# Allegro board buddy_lay_rev1.brd (continued)
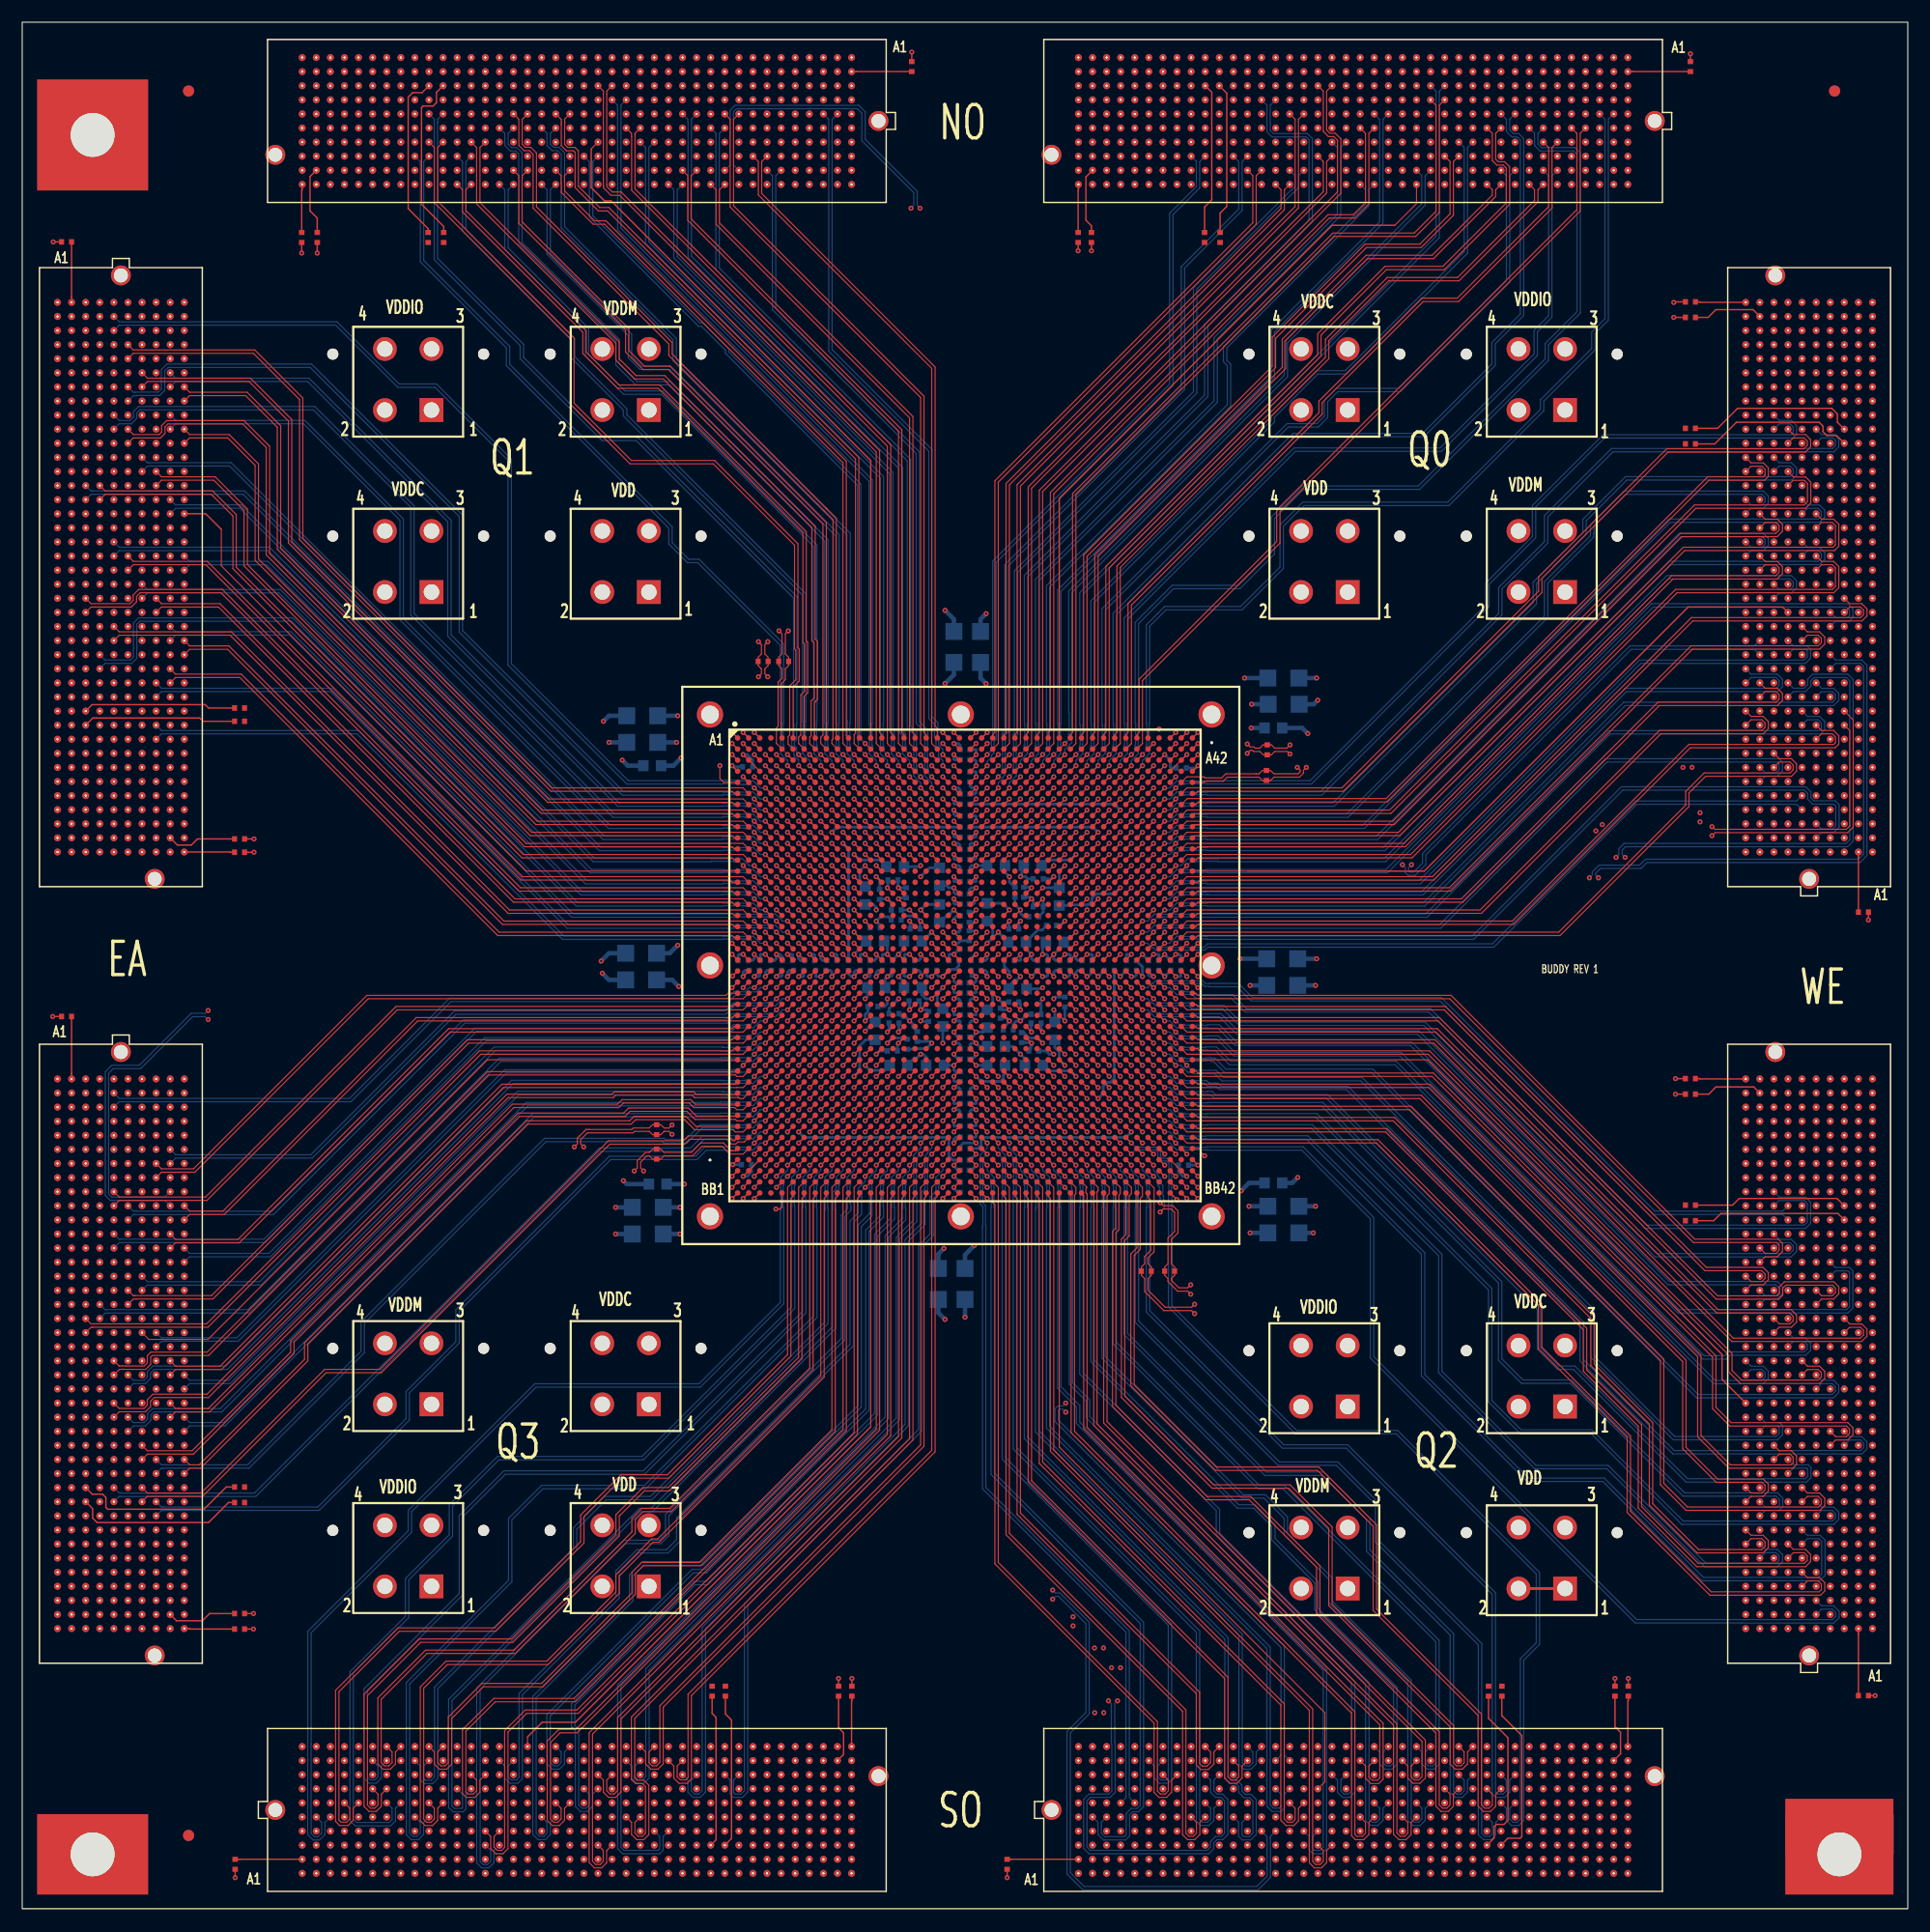
[diagram p0: board, top side]
## Routing (per net, layer and track width the routed paths; a pad name or vN(x,y) marks a point on that pad's centre or on a via; arc(x,y) is an arc through that point) (continued)
SO_N69: length 65.8
  TOP w0.102: J6.J28 59.05,12.86 59.05,11.9 59.34,11.61 59.83,11.61 60.03,11.81 60.03,19.33 82,41.3 82,65 U1.BA19
SO_N70: length 70.5
  TOP w0.127: U1.AU19 v1(82,69)
  BOTTOM w0.102: v1(82,69) 82,68.54 81.62,68.16 81.62,68.05 81.38,67.81 81.38,64.84 81.16,64.62 81.15,64.62 81.1,64.56 81.1,61.78 79.6,60.28 79.6,43.65 61.3,25.35 61.3,10.64 61,10.34 60.61,10.34 60.32,10.63 60.32,11.59 J6.H29
SO_N71: length 80.6
  TOP w0.127: U1.AR19 v1(82,71)
  SIGNAL_L12 w0.081: v1(82,71) 82,70.55 81.63,70.18 81.63,70.1 81.34,69.8 81.34,69.23 81.37,69.2 81.37,64.7 81.33,64.66 81.33,64.25 80.75,63.67 80.75,39.94 71.5,30.69 64.79,30.69 57.45,23.35 57.45,9.13 57.86,8.72 58.73,8.72 59.06,9.06 59.06,10.34 J6.G28
SO_N72: length 77.3
  TOP w0.127: U1.AN19 v1(82,73)
  SIGNAL_L3 w0.081: v1(82,73) 82,72.52 81.85,72.37 81.85,72.37 81.63,72.15 81.63,72.15 81.6,72.12 81.6,72.07 81.34,71.81 81.34,71.22 81.37,71.19 81.37,70.74 81.38,70.73 81.38,70.27 81.37,70.26 81.37,69.74 81.38,69.73 81.38,69.27 81.37,69.26 81.37,68.74 81.38,68.73 81.38,68.27 81.37,68.26 81.37,67.74 81.38,67.73 81.38,67.27 81.37,67.26 81.37,66.74 81.38,66.73 81.38,66.27 81.37,66.26 81.37,65.74 81.38,65.73 81.38,65.38 81.37,65.37 81.37,64.84 81.27,64.74 81.27,64.43 81.35,64.36 81.35,41.03 61.26,20.94 61.26,7.88 61.17,7.78 60.64,7.78 60.33,8.09 60.33,9.07 60.8,9.54
SO_N73: length 100.6
  TOP w0.127: U1.AL19 v1(82,75)
  SIGNAL_L3 w0.081: J6.E28 59.06,8.73 59.06,9.85 58.59,10.32 57.94,10.32 57.46,9.85 57.46,6.68 57.94,6.21 76.1,6.21 84.25,14.35 84.25,60.55 83.07,61.73 83.07,63.07 83.63,63.63 83.63,74.26 83.26,74.63 82.55,74.63 82.51,74.67 82.33,74.67 v1(82,75)
SO_N74: length 65.1
  TOP w0.102: U1.BA18 81,65 81,41.8 57.49,18.29 57.49,13.18 57.19,12.88 56.8,12.88 56.51,13.17 56.51,14.13 J6.K26
SO_N75: length 70.9
  TOP w0.127: U1.AU18 v1(81,69)
  BOTTOM w0.102: v1(81,69) 81,68.54 80.37,67.91 80.37,67.46 80.38,67.44 80.38,64.51 80.35,64.48 80.35,62.05 78.8,60.5 78.8,44.2 56.22,21.62 56.22,11.91 55.92,11.61 55.53,11.61 55.24,11.9 55.24,12.86 J6.J25
SO_N76: length 78.2
  TOP w0.127: U1.AR18 v1(81,71)
  SIGNAL_L12 w0.081: v1(81,71) 81,70.55 80.63,70.18 80.63,70.1 80.34,69.81 80.34,69.23 80.37,69.2 80.37,64.7 80.34,64.66 80.34,64.19 79.95,63.8 79.95,43.16 68.67,31.88 64.73,31.88 54.91,22.06 54.91,10.34 55.24,10.02 56.05,10.02 56.52,10.49 56.52,11.61 J6.H26
SO_N77: length 80
  TOP w0.127: U1.AN18 v1(81,73)
  SIGNAL_L3 w0.081: J6.G25 55.25,10.34 55.25,9.22 54.78,8.75 54.13,8.75 53.67,9.21 53.67,11.27 54.02,11.62 54.64,11.62 54.92,11.9 54.92,16.1 80.35,41.52 80.35,64.54 80.37,64.57 80.37,65.26 80.38,65.27 80.38,65.73 80.37,65.74 80.37,66.26 80.38,66.27 80.38,66.73 80.37,66.74 80.37,67.26 80.38,67.27 80.38,67.73 80.37,67.74 80.37,68.26 80.38,68.27 80.38,68.73 80.37,68.74 80.37,69.26 80.38,69.27 80.38,69.73 80.37,69.74 80.37,70.26 80.38,70.27 80.38,70.73 80.37,70.74 80.37,71.19 80.34,71.22 80.34,71.81 80.6,72.07 80.6,72.12 80.63,72.15 80.63,72.15 80.85,72.37 80.85,72.37 81,72.52 v1(81,73)
SO_N78: length 80.7
  TOP w0.127: U1.AL18 v1(81,75)
  SIGNAL_L5 w0.081: J6.F26 56.52,10 56.52,15.32 60.8,19.6 64.7,19.6 81.35,36.25 81.35,63 82.66,64.32 82.66,64.57 82.63,64.61 82.63,74.26 82.26,74.63 81.85,74.63 81.81,74.67 81.33,74.67 v1(81,75)
SO_N79: length 73
  TOP w0.102: J6.E25 55.24,7.78 55.24,6.82 55.53,6.53 55.92,6.53 56.19,6.8 56.19,11 55.92,11.27 55.3,11.27 54.92,11.64 54.92,17.27 80,42.35 80,65 U1.BA17
SO_N80: length 79.6
  TOP w0.127: U1.AW17 v1(80,67)
  BOTTOM w0.102: 58.26,7 57.78,6.51 57.78,5.26 57.47,4.95 54.13,4.95 53.68,5.4 53.68,20.18 77.8,44.3 77.8,60.65 79.35,62.2 79.35,63.1 79.38,63.13 79.38,65.44 79.37,65.46 79.37,65.91 80,66.54 v1(80,67)
SO_N81: length 87
  TOP w0.127: U1.AR17 v1(80,71)
  SIGNAL_L12 w0.081: v1(80,71) 80,70.55 79.63,70.18 79.63,70.1 79.34,69.81 79.34,69.23 79.37,69.2 79.37,64.7 79.34,64.66 79.34,64.59 79.13,64.38 79.13,44 68.22,33.09 64.74,33.09 53.64,21.99 53.64,3.99 53.99,3.64 57.36,3.64 57.79,4.08 57.79,5.26 J6.C27
SO_N82: length 74.3
  TOP w0.127: U1.AN17 v1(80,73)
  SIGNAL_L3 w0.081: v1(80,73) 80,72.52 79.85,72.37 79.85,72.37 79.63,72.15 79.63,72.15 79.6,72.12 79.6,72.07 79.33,71.8 79.33,71.22 79.37,71.18 79.37,64.65 79.33,64.62 79.33,42.8 53.67,17.13 53.67,13.18 53.37,12.89 52.99,12.89 52.73,13.16 52.73,14.16 J6.K23
SO_N83: length 78.1
  TOP w0.127: U1.AL17 v1(80,75)
  SIGNAL_L5 w0.081: J6.J22 51.44,12.88 51.44,12.76 51.46,12.75 51.46,11.89 51.72,11.62 52.1,11.62 52.4,11.91 52.4,16.1 79.34,43.04 79.34,64.67 79.37,64.71 79.37,73.32 79.35,73.34 79.35,73.87 80,74.52 v1(80,75)
SO_N84: length 68.4
  TOP w0.102: J6.H23 52.7,11.59 52.7,10.63 52.99,10.34 53.38,10.34 53.68,10.64 53.68,17.23 79,42.55 79,65 U1.BA16
SO_N85: length 75.2
  TOP w0.127: U1.AW16 v1(79,67)
  BOTTOM w0.102: v1(79,67) 79,66.54 78.37,65.91 78.37,65.46 78.38,65.44 78.38,63.2 78.35,63.17 78.35,62.28 76.85,60.78 76.85,44.65 61.7,29.5 60.55,29.5 49.52,18.48 49.52,16.38 49.87,16.03 49.87,9.21 50.32,8.76 50.96,8.76 51.43,9.23 51.43,10.32 J6.G22
SO_N86: length 80.9
  TOP w0.127: U1.AR16 v1(79,71)
  SIGNAL_L12 w0.081: J6.F23 52.71,9.07 52.71,7.95 52.24,7.48 51.59,7.48 51.12,7.94 51.12,20.92 64.39,34.19 67.43,34.19 78.34,45.1 78.34,64.66 78.37,64.7 78.37,69.2 78.34,69.23 78.34,69.81 78.63,70.1 78.63,70.18 79,70.55 v1(79,71)
SO_N87: length 83
  TOP w0.127: U1.AN16 v1(79,73)
  SIGNAL_L3 w0.081: J6.E22 51.46,7.81 51.46,6.69 50.97,6.21 50.32,6.21 49.83,6.69 49.83,11.88 49.84,11.88 49.84,12.27 49.83,12.27 49.83,14.88 49.86,14.91 49.86,14.94 50.32,15.4 50.35,15.4 78.33,43.38 78.33,64.36 78.39,64.42 78.39,64.53 78.35,64.57 78.35,64.6 78.37,64.62 78.37,71.18 78.33,71.22 78.33,71.8 78.6,72.07 78.6,72.12 78.63,72.15 78.63,72.15 78.85,72.37 78.85,72.37 79,72.52 v1(79,73)
SO_N88: length 84.6
  TOP w0.127: U1.AL16 v1(79,75)
  SIGNAL_L10 w0.081: J6.D21 50.17,6.53 50.17,5.55 50.45,5.27 50.83,5.27 51.1,5.54 51.1,16.27 78.33,43.5 78.33,64.6 78.37,64.63 78.37,73.15 78.32,73.2 78.32,73.79 78.63,74.1 78.63,74.15 79,74.52 v1(79,75)
SO_N89: length 76.4
  TOP w0.102: U1.BA15 78,65 78,42.75 51.11,15.86 51.11,4.16 51.59,3.68 52.23,3.68 52.69,4.14 52.69,5.23 53.18,5.72
SO_N90: length 71.9
  TOP w0.127: U1.AW15 v1(78,67)
  BOTTOM w0.102: v1(78,67) 78,66.54 77.37,65.91 77.37,65.46 77.38,65.44 77.38,63.17 77.35,63.17 77.35,62.45 76.05,61.15 76.05,45.05 61.57,30.57 60.39,30.57 47.3,17.49 47.3,13.05 47.78,12.57 48.42,12.57 48.89,13.04 48.89,14.13 J6.K20
SO_N91: length 77.8
  TOP w0.127: U1.AU15 v1(78,69)
  SIGNAL_L12 w0.081: J6.J19 47.63,12.88 47.63,11.82 47.85,11.6 48.28,11.6 48.56,11.89 48.56,23.41 53.82,28.67 53.82,30.12 60.03,36.33 62.77,36.33 62.92,36.18 67.96,36.18 77.34,45.56 77.34,62.66 77.37,62.7 77.37,67.2 77.34,67.23 77.34,67.81 77.63,68.1 77.63,68.18 78,68.55 v1(78,69)
SO_N92: length 80.6
  TOP w0.127: U1.AN15 v1(78,73)
  SIGNAL_L3 w0.081: J6.H20 48.89,11.59 48.89,10.48 48.43,10.02 47.78,10.02 47.32,10.48 47.32,15.13 49.87,17.68 51.38,17.68 77.33,43.63 77.33,64.62 77.37,64.65 77.37,71.18 77.33,71.22 77.33,71.8 77.6,72.07 77.6,72.12 77.63,72.15 77.63,72.15 77.85,72.37 77.85,72.37 78,72.52 v1(78,73)
SO_N93: length 81.4
  TOP w0.127: U1.AL15 v1(78,75)
  SIGNAL_L5 w0.081: J6.G19 47.63,10.34 47.63,10.08 47.62,10.07 47.62,9.37 47.91,9.08 48.29,9.08 48.59,9.37 48.59,14.94 77.34,43.69 77.34,64.67 77.37,64.71 77.37,73.32 77.35,73.34 77.35,73.87 78,74.52 v1(78,75)
SO_N94: length 74.7
  TOP w0.102: J6.F20 48.89,9.05 48.89,7.96 48.42,7.49 47.78,7.49 47.33,7.94 47.33,15.11 48.38,16.15 49.9,16.15 77,43.25 77,65 U1.BA14
SO_N95: length 80.7
  TOP w0.127: U1.AW14 v1(77,67)
  BOTTOM w0.102: v1(77,67) 77,66.54 76.38,65.92 76.38,62.63 75.35,61.6 75.35,45.35 61.25,31.25 55.91,31.25 54.75,30.09 54.75,27.85 46.03,19.13 46.03,6.7 46.51,6.22 47.15,6.22 47.62,6.69 47.62,7.78 J6.E19
SO_N96: length 88.1
  TOP w0.127: U1.AU14 v1(77,69)
  SIGNAL_L12 w0.081: J6.D18 46.36,6.53 46.36,5.4 45.9,4.94 45.24,4.94 44.75,5.42 44.75,8.57 45.26,9.08 45.75,9.08 46.02,9.35 46.02,26.34 57.23,37.55 68.05,37.55 76.34,45.84 76.34,62.66 76.37,62.7 76.37,67.2 76.34,67.23 76.34,67.81 76.63,68.1 76.63,68.18 77,68.55 v1(77,69)
SO_N97: length 88.2
  TOP w0.127: U1.AM14 v1(77,74)
  SIGNAL_L3 w0.081: 48.1,5.72 47.65,5.27 47.65,3.91 47.41,3.67 46.51,3.67 46.05,4.13 46.05,15.3 49.93,19.18 51.43,19.18 76.33,44.08 76.33,64.5 76.37,64.53 76.37,72.18 76.33,72.22 76.33,72.8 76.6,73.07 76.6,73.12 76.63,73.15 76.63,73.15 76.85,73.37 76.85,73.37 77,73.52 v1(77,74)
SO_N98: length 64.5
  TOP w0.102: U1.BB13 76.5,43.42 ; 45.56,15.49 J6.K17
  TOP w0.127: 76.5,43.42 49.88,16.8 46.88,16.8 45.56,15.49
SO_N99: length 72.2
  TOP w0.127: U1.AY13 v1(76,66)
  BOTTOM w0.102: v1(76,66) 76,65.54 75.37,64.91 75.37,64.12 75.37,64.12 75.37,62.7 74.63,61.97 74.63,50.87 59,35.23 59,33.26 58.1,32.35 55.42,32.35 53.53,30.46 53.53,28.13 44.79,19.39 44.79,11.84 44.56,11.61 44.1,11.61 43.81,11.9 43.81,12.86 J6.J16
SO_N100: length 83.9
  TOP w0.127: U1.AV13 v1(76,68)
  SIGNAL_L12 w0.081: v1(76,68) 76,67.55 75.63,67.18 75.63,67.1 75.34,66.81 75.34,66.23 75.37,66.2 75.37,61.65 75.34,61.61 75.34,46.14 67.9,38.7 53.55,38.7 49.7,34.85 49.7,31.95 43.5,25.75 43.5,10.48 43.97,10.02 44.62,10.02 45.08,10.48 45.08,11.68 45.48,12.07 J6.H17
SO_N101: length 78.9
  TOP w0.127: U1.AT13 v1(76,70)
  SIGNAL_L3 w0.081: v1(76,70) 76,69.52 75.85,69.37 75.85,69.37 75.63,69.15 75.63,69.15 75.6,69.12 75.6,69.07 75.33,68.8 75.33,68.22 75.37,68.18 75.37,64.09 75.33,64.05 75.33,44.43 56.23,25.33 53.16,25.33 44.77,16.94 44.77,9.36 44.48,9.08 44.1,9.08 43.82,9.35 43.82,10.34 J6.G16
SO_N102: length 85
  TOP w0.127: U1.AN13 v1(76,73)
  SIGNAL_L10 w0.081: v1(76,73) 76,72.52 75.37,71.9 75.37,71.85 75.15,71.63 75.15,71.63 75.14,71.63 74.74,71.63 74.37,71.26 74.37,64.43 74.34,64.4 74.34,43.99 53.88,23.53 50.93,23.53 43.5,16.1 43.5,7.94 43.97,7.48 44.62,7.48 45.09,7.95 45.09,9.07 J6.F17
SO_N103: length 85.7
  TOP w0.127: U1.AL13 v1(76,75)
  SIGNAL_L5 w0.081: J6.E16 43.82,7.8 43.82,6.82 44.1,6.54 44.48,6.54 44.78,6.83 44.78,16.39 47.61,19.23 49.41,19.23 54.07,23.89 54.07,29.99 75.34,51.25 75.34,64.67 75.37,64.71 75.37,73.32 75.35,73.34 75.35,73.87 76,74.52 v1(76,75)
SO_N104: length 78.8
  TOP w0.102: U1.BA12 75,65 75,42.9 50,17.9 45.35,17.9 43.5,16.05 43.5,5.53 43.22,5.26 42.83,5.26 42.54,5.55 42.54,6.51 J6.D15
SO_N105: length 83.3
  TOP w0.127: U1.AW12 v1(75,67)
  BOTTOM w0.102: 43.02,5.72 42.54,5.24 42.54,4.15 42.07,3.68 41.43,3.68 40.98,4.13 40.98,19.9 54.29,33.2 57.45,33.2 58,33.75 58,35.53 73.85,51.38 73.85,62.49 74.41,63.05 74.41,63.27 74.41,63.37 74.38,63.4 74.38,65.44 74.37,65.46 74.37,65.91 75,66.54 v1(75,67)
SO_N106: length 83.6
  TOP w0.127: U1.AU12 v1(75,69)
  SIGNAL_L12 w0.081: v1(75,69) 75,68.55 74.63,68.18 74.63,68.1 74.34,67.81 74.34,67.23 74.37,67.2 74.37,62.66 74.36,62.64 74.36,62.61 74.39,62.57 74.39,62.46 74.34,62.4 74.34,46.3 68.11,40.08 49.91,40.08 45.17,35.34 45.17,30.59 42.22,27.64 42.22,13.16 41.94,12.89 41.56,12.89 41.28,13.17 41.28,14.15 J6.K14
SO_N107: length 80
  TOP w0.127: U1.AR12 v1(75,71)
  SIGNAL_L3 w0.081: v1(75,71) 75,70.52 74.85,70.37 74.85,70.37 74.63,70.15 74.63,70.15 74.6,70.12 74.6,70.07 74.33,69.8 74.33,69.22 74.37,69.18 74.37,62.65 74.33,62.62 74.33,44.9 62.99,33.56 62.99,33.22 60.78,31 55.28,31 54.22,29.94 54.22,28.69 40.94,15.41 40.94,11.89 40.67,11.62 40.29,11.62 40.01,11.9 40.01,12.88 40.48,13.35
SO_N108: length 77.5
  TOP w0.102: J6.H14 41.27,11.59 41.27,10.5 40.8,10.03 40.04,10.03 39.7,10.37 39.7,16.13 42.52,18.95 49.75,18.95 74,43.2 74,65 U1.BA11
SO_N109: length 77.9
  TOP w0.127: U1.AW11 v1(74,67)
  BOTTOM w0.102: v1(74,67) 74,66.54 73.38,65.91 73.38,65.34 73.33,65.3 73.33,65.21 73.38,65.16 73.38,64.84 73.16,64.62 73.08,64.62 73.08,63 73.05,62.97 73.05,52.43 56.7,36.08 55.65,36.08 38.45,18.88 38.45,14.94 38.44,14.94 38.44,9.13 38.84,8.73 39.76,8.73 40,8.97 40,10.32 40.48,10.8
SO_N110: length 91.1
  TOP w0.127: U1.AU11 v1(74,69)
  SIGNAL_L12 w0.081: J6.F14 41.28,9.07 41.28,7.95 40.81,7.48 40.32,7.48 40.04,7.48 39.67,7.85 39.67,27.47 43.77,31.57 43.77,36.59 48.38,41.2 67.55,41.2 73.34,46.99 73.34,62.62 73.37,62.66 73.37,67.2 73.34,67.23 73.34,67.81 73.63,68.1 73.63,68.18 74,68.55 v1(74,69)
SO_N111: length 85.6
  TOP w0.127: U1.AR11 v1(74,71)
  SIGNAL_L3 w0.081: v1(74,71) 74,70.52 73.85,70.37 73.85,70.37 73.63,70.15 73.63,70.15 73.6,70.12 73.6,70.07 73.33,69.8 73.33,69.22 73.37,69.18 73.37,62.65 73.33,62.62 73.33,49.66 56.17,32.5 52.8,32.5 50.6,30.3 50.6,27.65 38.4,15.45 38.4,6.63 38.85,6.18 39.54,6.18 40.01,6.66 40.01,7.8 40.48,8.27
SO_N112: length 75.9
  TOP w0.102: J6.K11 37.46,14.13 37.46,13.17 37.75,12.88 38.14,12.88 38.41,13.15 38.41,17.26 41.45,20.3 46.82,20.3 54.97,28.45 54.97,30.31 55.86,31.2 61.04,31.2 73,43.16 73,65 U1.BA10
SO_N113: length 76.1
  TOP w0.127: U1.AW10 v1(73,67)
  BOTTOM w0.102: 36.67,13.35 36.19,12.86 36.19,11.74 36.35,11.58 36.88,11.58 37.17,11.87 37.17,19.97 49.7,32.5 49.7,34.33 52.52,37.15 56.64,37.15 72.35,52.86 72.35,62.9 72.38,62.93 72.38,63.07 72.35,63.1 72.35,63.17 72.38,63.2 72.38,65.44 72.37,65.46 72.37,65.91 73,66.54 v1(73,67)
SO_N114: length 88.4
  TOP w0.127: U1.AU10 v1(73,69)
  SIGNAL_L12 w0.081: v1(73,69) 73,68.55 72.63,68.18 72.63,68.1 72.34,67.81 72.34,67.23 72.37,67.2 72.37,62.7 72.34,62.66 72.34,47.89 66.83,42.38 46.16,42.38 39.27,35.49 39.27,31.22 38.42,30.37 38.42,10.63 38.13,10.35 37.75,10.35 37.49,10.62 37.49,10.88 37.47,10.89 37.47,11.61 J6.H11
SO_N115: length 83.9
  TOP w0.127: U1.AR10 v1(73,71)
  SIGNAL_L3 w0.081: v1(73,71) 73,70.52 72.85,70.37 72.85,70.37 72.63,70.15 72.63,70.15 72.6,70.12 72.6,70.07 72.33,69.8 72.33,69.22 72.37,69.18 72.37,62.65 72.33,62.62 72.33,51.03 57.65,36.35 51.05,36.35 49.5,34.8 49.5,32.05 37.13,19.68 37.13,9.35 36.86,9.08 36.48,9.08 36.2,9.36 36.2,10.34 36.67,10.8
SO_N116: length 82.1
  TOP w0.102: J6.F11 37.46,9.05 37.46,7.96 36.99,7.49 36.33,7.49 35.9,7.92 35.9,19.99 38.21,22.3 47.29,22.3 53.53,28.54 53.53,30.11 56.74,33.32 57.29,33.32 72,48.03 72,65 U1.BA9
SO_N117: length 85.7
  TOP w0.127: U1.AW9 v1(72,67)
  BOTTOM w0.102: 36.67,8.27 36.19,7.78 36.19,6.69 35.72,6.22 35.08,6.22 34.63,6.67 34.63,20.38 43.85,29.6 43.85,35.17 46.83,38.15 56.1,38.15 71.35,53.4 71.35,63.17 71.38,63.2 71.38,65.44 71.37,65.46 71.37,65.91 72,66.54 v1(72,67)
SO_N118: length 90.8
  TOP w0.127: U1.AU9 v1(72,69)
  SIGNAL_L3 w0.081: J6.D9 34.93,6.53 34.93,5.41 34.46,4.94 33.81,4.94 33.35,5.4 33.35,8.61 33.81,9.08 34.32,9.08 34.62,9.37 34.62,19.97 44.7,30.05 44.7,36.4 46.05,37.75 56.95,37.75 71.33,52.13 71.33,60.54 71.37,60.58 71.37,67.18 71.33,67.22 71.33,67.8 71.6,68.07 71.6,68.12 71.63,68.15 71.63,68.15 71.85,68.37 71.85,68.37 72,68.52 v1(72,69)
SO_N119: length 101.4
  TOP w0.127: U1.AR9 v1(72,71)
  SIGNAL_L12 w0.081: v1(72,71) 72,70.55 71.63,70.18 71.63,70.1 71.34,69.81 71.34,69.23 71.37,69.2 71.37,64.65 71.34,64.61 71.34,48.99 65.9,43.55 41.7,43.55 34.75,36.6 34.75,26.59 35.89,25.45 35.89,4.13 36.35,3.67 37,3.67 37.46,4.13 37.46,5.24 37.94,5.72
SO_N120: length 78.7
  TOP w0.102: U1.BA8 71,65 71,48.7 58.38,36.08 55.87,36.08 54.97,35.18 54.97,33.95 44.32,23.3 36.37,23.3 32.06,18.99 32.06,13.04 32.53,12.57 33.18,12.57 33.65,13.04 33.65,14.13 J6.K8
SO_N121: length 83.7
  TOP w0.127: U1.AW8 v1(71,67)
  BOTTOM w0.102: 32.86,13.35 32.38,12.86 32.38,11.77 31.91,11.3 31.27,11.3 30.82,11.75 30.82,19.82 39.4,28.4 39.4,35.43 43.42,39.45 55.99,39.45 70.35,53.81 70.35,63.17 70.38,63.2 70.38,65.44 70.37,65.46 70.37,65.91 71,66.54 v1(71,67)
SO_N122: length 85.2
  TOP w0.127: U1.AU8 v1(71,69)
  SIGNAL_L3 w0.081: J6.H8 33.66,11.61 33.66,10.49 33.19,10.02 32.52,10.02 32.08,10.46 32.08,19.98 43.45,31.35 43.45,37.05 45.98,39.58 56.38,39.58 70.33,53.53 70.33,60.59 70.37,60.62 70.37,67.18 70.33,67.22 70.33,67.8 70.6,68.07 70.6,68.12 70.63,68.15 70.63,68.15 70.85,68.37 70.85,68.37 71,68.52 v1(71,69)
SO_N123: length 82.6
  TOP w0.102: 32.86,10.8 32.38,10.32 32.38,9.23 31.91,8.76 31.27,8.76 30.82,9.21 30.82,19.32 35.8,24.3 44.1,24.3 53.53,33.73 53.53,35.51 55.97,37.95 58.26,37.95 70,49.7 70,65 U1.BA7
SO_N124: length 90.5
  TOP w0.127: U1.AW7 v1(70,67)
  BOTTOM w0.102: v1(70,67) 70,66.54 69.37,65.91 69.37,65.46 69.38,65.44 69.38,63.26 69.35,63.23 69.35,54.23 55.88,40.75 42.85,40.75 38.5,36.4 38.5,33.7 34.55,29.75 34.55,26.35 29.55,21.35 29.55,7.95 30.03,7.46 33.21,7.46 33.65,7.9 33.65,9.05 J6.F8
SO_N125: length 89.4
  TOP w0.127: U1.AU7 v1(70,69)
  SIGNAL_L3 w0.081: v1(70,69) 70,68.52 69.85,68.37 69.85,68.37 69.63,68.15 69.63,68.15 69.6,68.12 69.6,68.07 69.33,67.8 69.33,67.22 69.37,67.18 69.37,60.58 69.33,60.54 69.33,55.43 55.95,42.05 45.1,42.05 39.17,36.12 39.17,28.82 30.78,20.43 30.78,6.69 31.27,6.21 31.92,6.21 32.39,6.68 32.39,7.8 32.86,8.27
SO_N126: length 86
  TOP w0.102: U1.BA6 69,65 69,49.93 58.17,39.1 53.97,39.1 50.35,35.48 50.35,33.08 42.57,25.3 33.87,25.3 28.25,19.68 28.25,7.87 28.63,7.49 29.37,7.49 29.84,7.96 29.84,9.05 J6.F5
SO_N127: length 91.4
  TOP w0.127: U1.AW6 v1(69,67)
  BOTTOM w0.102: v1(69,67) 69,66.54 68.37,65.91 68.37,65.46 68.38,65.44 68.38,63.2 68.35,63.17 68.35,63.14 68.38,63.11 68.38,62.96 68.35,62.93 68.35,54.64 61.01,47.3 46.2,47.3 34.8,35.9 34.8,34.05 25.75,25 25.75,14.94 25.74,14.94 25.74,6.67 26.22,6.19 26.81,6.19 27.3,6.69 27.3,7.78 27.78,8.27
SO_P0: length 76.6
  TOP w0.127: U1.AW37 v1(101,67)
  BOTTOM w0.102: J5.H31 133.81,11.59 133.81,10.63 133.52,10.34 132.98,10.34 132.83,10.48 132.83,28.47 119.5,41.8 113.75,41.8 101.65,53.9 101.65,63.17 101.62,63.2 101.62,65.44 101.63,65.46 101.63,65.91 101,66.54 v1(101,67)
SO_P1: length 77.9
  TOP w0.102: U1.BA37 101,65 101,64.2 100.8,64 100.8,59.42 100.25,58.87 100.25,47.25 107.7,39.8 116.9,39.8 122.1,34.6 122.1,27 131.56,17.54 131.56,9.37 131.86,9.07 132.25,9.07 132.54,9.36 132.54,10.32 J5.G30
SO_P2: length 88
  TOP w0.127: U1.AU36 v1(100,69)
  BOTTOM w0.102: v1(100,69) 100.35,68.65 100.82,68.65 100.85,68.62 102.26,68.62 102.62,68.26 102.62,67.84 102.84,67.62 103.26,67.62 103.62,67.26 103.62,64.63 103.65,64.6 103.65,54.35 114.9,43.1 124,43.1 136.8,30.3 136.8,23.82 135.37,22.39 135.37,7.94 134.92,7.49 134.28,7.49 133.81,7.96 133.81,9.05 133.33,9.54
SO_P3: length 79.9
  TOP w0.127: U1.AW36 v1(100,67)
  BOTTOM w0.102: J5.E30 132.54,7.78 132.54,6.76 132.31,6.53 131.86,6.53 131.59,6.8 131.59,23.89 122.3,33.18 122.3,36.56 118.61,40.25 113.36,40.25 100.65,52.96 100.65,63.17 100.62,63.2 100.62,65.44 100.63,65.46 100.63,65.91 100,66.54 v1(100,67)
SO_P4: length 72
  TOP w0.102: U1.BA36 100,65 100,64.43 99.8,64.24 99.8,60.62 99.4,60.22 99.4,46.2 107.4,38.2 114.3,38.2 118.1,34.4 118.1,27.45 129.05,16.5 129.05,13.15 129.32,12.88 129.71,12.88 130,13.17 130,14.13 129.52,14.62
SO_P5: length 91.3
  TOP w0.127: U1.AU35 v1(99,69)
  SIGNAL_L3 w0.081: J5.J27 128.7,12.89 128.69,12.69 128.69,12.28 128.7,12.26 128.7,9.31 128.44,9.05 120.3,9.05 119.84,8.59 119.84,6.7 119.65,6.51 112.84,6.51 112.54,6.82 112.54,19.41 99.67,32.28 99.67,60.59 99.63,60.62 99.63,67.18 99.67,67.22 99.67,67.8 99.4,68.07 99.4,68.12 99.37,68.15 99.37,68.15 99.15,68.37 99.15,68.37 99,68.52 v1(99,69)
SO_P6: length 75.4
  TOP w0.127: U1.AW35 v1(99,67)
  BOTTOM w0.102: v1(99,67) 99,66.54 99.63,65.91 99.63,65.46 99.62,65.44 99.62,63.17 99.65,63.13 99.65,51.85 103,48.5 112.15,39.35 117.35,39.35 121.5,35.2 121.5,32.33 129.05,24.78 129.05,10.61 129.32,10.34 129.71,10.34 130,10.63 130,11.59 J5.H28
SO_P7: length 73.7
  TOP w0.102: U1.BA35 99,65 99,64.43 98.87,64.31 98.87,61.17 98.6,60.9 98.6,45.38 106.83,37.15 110.75,37.15 117,30.9 117,26.7 127.75,15.95 127.75,9.36 128.05,9.07 128.44,9.07 128.73,9.36 128.73,10.32 J5.G27
SO_P8: length 78.7
  TOP w0.127: U1.AR34 v1(98,71)
  SIGNAL_L12 w0.081: 129.52,9.54 130.07,9.54 130.52,9.08 130.98,9.08 131.6,9.7 131.6,23.77 121.8,33.57 121.8,34.85 99.66,56.99 99.66,64.33 99.63,64.37 99.63,68.26 99.6,68.29 99.33,68.55 99.26,68.63 98.82,68.63 98.63,68.82 98.63,69.44 98.61,69.46 98.61,69.83 98.54,69.9 98.49,70.13 98.49,70.54 98.42,70.61 98.39,70.61 v1(98,71)
SO_P9: length 78.4
  TOP w0.127: U1.AU34 v1(98,69)
  SIGNAL_L12 w0.081: J5.E27 129.06,7.45 130.3,7.45 130.33,7.48 130.33,8.62 129.89,9.05 129.35,9.05 129.33,9.07 129.32,9.07 129.05,9.34 129.05,9.35 129.03,9.37 129.03,23.02 117.05,35 117.05,35.75 98.66,54.14 98.66,62.61 98.63,62.65 98.63,67.2 98.66,67.23 98.66,67.81 98.37,68.1 98.37,68.18 98,68.55 v1(98,69)
SO_P10: length 72.1
  TOP w0.127: U1.AW34 v1(98,67)
  BOTTOM w0.102: v1(98,67) 98,66.54 98.63,65.91 98.63,65.46 98.62,65.44 98.62,63.17 98.65,63.13 98.65,51.03 111.53,38.15 113.78,38.15 127.75,24.18 127.75,13.02 127.3,12.57 126.66,12.57 126.19,13.04 126.19,14.13 J5.K25
SO_P11: length 69.6
  TOP w0.102: J5.J24 124.92,12.86 124.92,11.77 125.39,11.3 126.03,11.3 126.5,11.78 126.5,15.2 97.8,43.9 97.8,64.24 98,64.43 98,65 U1.BA34
SO_P12: length 108.9
  TOP w0.127: U1.AR33 v1(97,71)
  SIGNAL_L3 w0.081: J5.H25 126.18,11.6 126.18,10.49 126.67,9.99 127.38,9.99 127.76,10.37 127.76,13.74 127.85,13.82 129.89,13.82 129.97,13.74 129.97,8.08 129.71,7.81 121.58,7.81 121.08,7.31 121.08,5.54 120.82,5.27 110.28,5.27 109.98,5.56 109.98,19.43 98.3,31.11 98.3,61.7 97.67,62.33 97.67,62.62 97.63,62.65 97.63,69.18 97.67,69.22 97.67,69.8 97.4,70.07 97.4,70.12 97.37,70.15 97.37,70.15 97.15,70.37 97.15,70.37 97,70.52 v1(97,71)
SO_P13: length 93.9
  TOP w0.127: U1.AU33 v1(97,69)
  SIGNAL_L12 w0.081: v1(97,69) 97,68.55 97.37,68.18 97.37,68.1 97.66,67.81 97.66,67.23 97.63,67.2 97.63,62.66 97.66,62.62 97.66,50.15 118.25,29.57 118.25,27.45 126.2,19.5 127.45,19.5 127.79,19.16 127.79,6.81 128.06,6.54 128.17,6.54 128.55,6.54 129.06,6.03 129.06,2.88 128.48,2.3 125.48,2.3 124.91,2.87 124.91,10.34 J5.G24
SO_P14: length 75.3
  TOP w0.127: U1.AW33 v1(97,67)
  BOTTOM w0.102: J5.F25 126.19,9.05 126.19,8.09 125.9,7.8 125.51,7.8 125.23,8.08 125.23,20.6 118.1,27.73 118.1,29.81 114.07,33.84 114.07,35.31 112.08,37.3 110.1,37.3 99.25,48.15 97.65,49.75 97.65,63.13 97.62,63.17 97.62,65.44 97.63,65.46 97.63,65.91 97,66.54 v1(97,67)
SO_P15: length 73
  TOP w0.102: U1.BA33 97,65 97,64.7 96.9,64.6 96.9,64.53 96.9,64.53 96.9,43.7 123.94,16.66 123.94,6.83 124.24,6.53 124.63,6.53 124.92,6.82 124.92,7.78 J5.E24
SO_P16: length 94.6
  TOP w0.127: U1.AR32 v1(96,71)
  SIGNAL_L3 w0.081: v1(96,71) 96,70.52 96.15,70.37 96.15,70.37 96.37,70.15 96.37,70.15 96.4,70.12 96.4,70.07 96.67,69.8 96.67,69.22 96.63,69.18 96.63,62.65 96.67,62.62 96.67,61.93 97.45,61.15 97.45,30.27 108.71,19 108.71,4.29 109.01,4 127.17,4 127.43,4.27 127.43,6.54 J5.D26
SO_P17: length 83.5
  TOP w0.127: U1.AU32 v1(96,69)
  SIGNAL_L12 w0.081: v1(96,69) 96,68.55 96.37,68.18 96.37,68.1 96.66,67.81 96.66,67.23 96.63,67.2 96.63,62.7 96.66,62.66 96.66,45.25 110.61,31.3 115.04,31.3 116.85,29.49 116.85,26.09 126.28,16.65 126.3,16.65 126.49,16.46 126.49,4.29 126.79,4 127.17,4 127.45,4.28 127.45,5.26 126.98,5.72
SO_P18: length 70.8
  TOP w0.127: U1.AW32 v1(96,67)
  BOTTOM w0.102: J5.K22 122.38,14.13 122.38,13.04 122.85,12.57 123.49,12.57 123.94,13.02 123.94,19.96 116.83,27.07 116.83,29.48 112.95,33.36 112.95,34.6 111.15,36.4 109.68,36.4 96.65,49.43 96.65,63.13 96.62,63.17 96.62,65.44 96.63,65.46 96.63,65.91 96,66.54 v1(96,67)
SO_P19: length 68.9
  TOP w0.102: U1.BA32 96,65 95.9,64.9 95.9,64.53 96,64.43 96,43.4 122.7,16.7 122.7,11.67 122.3,11.27 121.6,11.27 121.11,11.76 121.11,12.86 J5.J21
SO_P20: length 126.2
  TOP w0.127: U1.AR31 v1(95,71)
  SIGNAL_L3 w0.081: v1(95,71) 95,70.52 95.15,70.37 95.15,70.37 95.37,70.15 95.37,70.15 95.4,70.12 95.4,70.07 95.67,69.8 95.67,69.22 95.63,69.18 95.63,62.62 95.67,62.58 95.67,61.58 96.6,60.65 96.6,29.27 107.47,18.4 107.47,3 107.74,2.73 130.98,2.73 131.25,3 131.25,14.98 130.71,15.52 124.44,15.52 123.98,15.06 123.98,10.4 123.57,9.99 122.6,9.99 122.35,10.24 122.35,11.62 J5.H22
SO_P21: length 73.6
  TOP w0.127: U1.AU31 v1(95,69)
  SIGNAL_L12 w0.081: J5.G21 121.1,10.34 121.1,9.36 120.82,9.08 120.44,9.08 120.17,9.35 120.17,20.62 95.66,45.13 95.66,62.66 95.63,62.7 95.63,67.2 95.66,67.23 95.66,67.81 95.37,68.1 95.37,68.18 95,68.55 v1(95,69)
SO_P22: length 73.4
  TOP w0.127: U1.AW31 v1(95,67)
  BOTTOM w0.102: v1(95,67) 95,66.54 95.63,65.91 95.63,65.46 95.62,65.44 95.62,63.2 95.65,63.17 95.65,48.3 107.95,36 107.95,33.85 121.42,20.38 121.42,8.07 121.7,7.8 122.09,7.8 122.38,8.09 122.38,9.05 J5.F22
SO_P23: length 72.3
  TOP w0.102: J5.E21 121.11,7.78 121.11,6.82 120.82,6.53 120.32,6.53 120.15,6.7 120.15,17.75 94.87,43.03 94.87,64.31 95,64.43 95,65 U1.BA31
SO_P24: length 83.3
  TOP w0.127: U1.AL30 v1(94,75)
  SIGNAL_L5 w0.081: J5.D20 119.83,6.53 119.83,5.55 119.55,5.27 119.17,5.27 118.9,5.54 118.9,19.95 103.3,35.55 103.3,38.35 94.66,46.99 94.66,64.52 94.63,64.56 94.63,73.26 94.59,73.29 94.59,73.51 94.63,73.54 94.63,74.37 v1(94,75)
SO_P25: length 99.9
  TOP w0.127: U1.AN30 v1(94,73)
  SIGNAL_L3 w0.081: v1(94,73) 94,72.78 93.37,72.15 93.37,64.56 93.33,64.52 93.33,47.52 94.55,46.3 94.55,43.9 92.9,42.25 92.9,29.5 96.92,25.48 96.92,23.74 v1(96.67,23.5)
  SIGNAL_L5 w0.081: 121.9,5.72 122.37,6.19 122.37,6.31 122.35,6.32 122.35,7.18 122.09,7.45 121.71,7.45 121.43,7.18 121.43,4.06 121.03,3.67 103.79,3.67 103.33,4.13 103.33,14.96 96.92,21.37 96.92,23.25 v1(96.67,23.5)
